# KiCad board AmigaPCI Mainboard.kicad_pcb (continued)
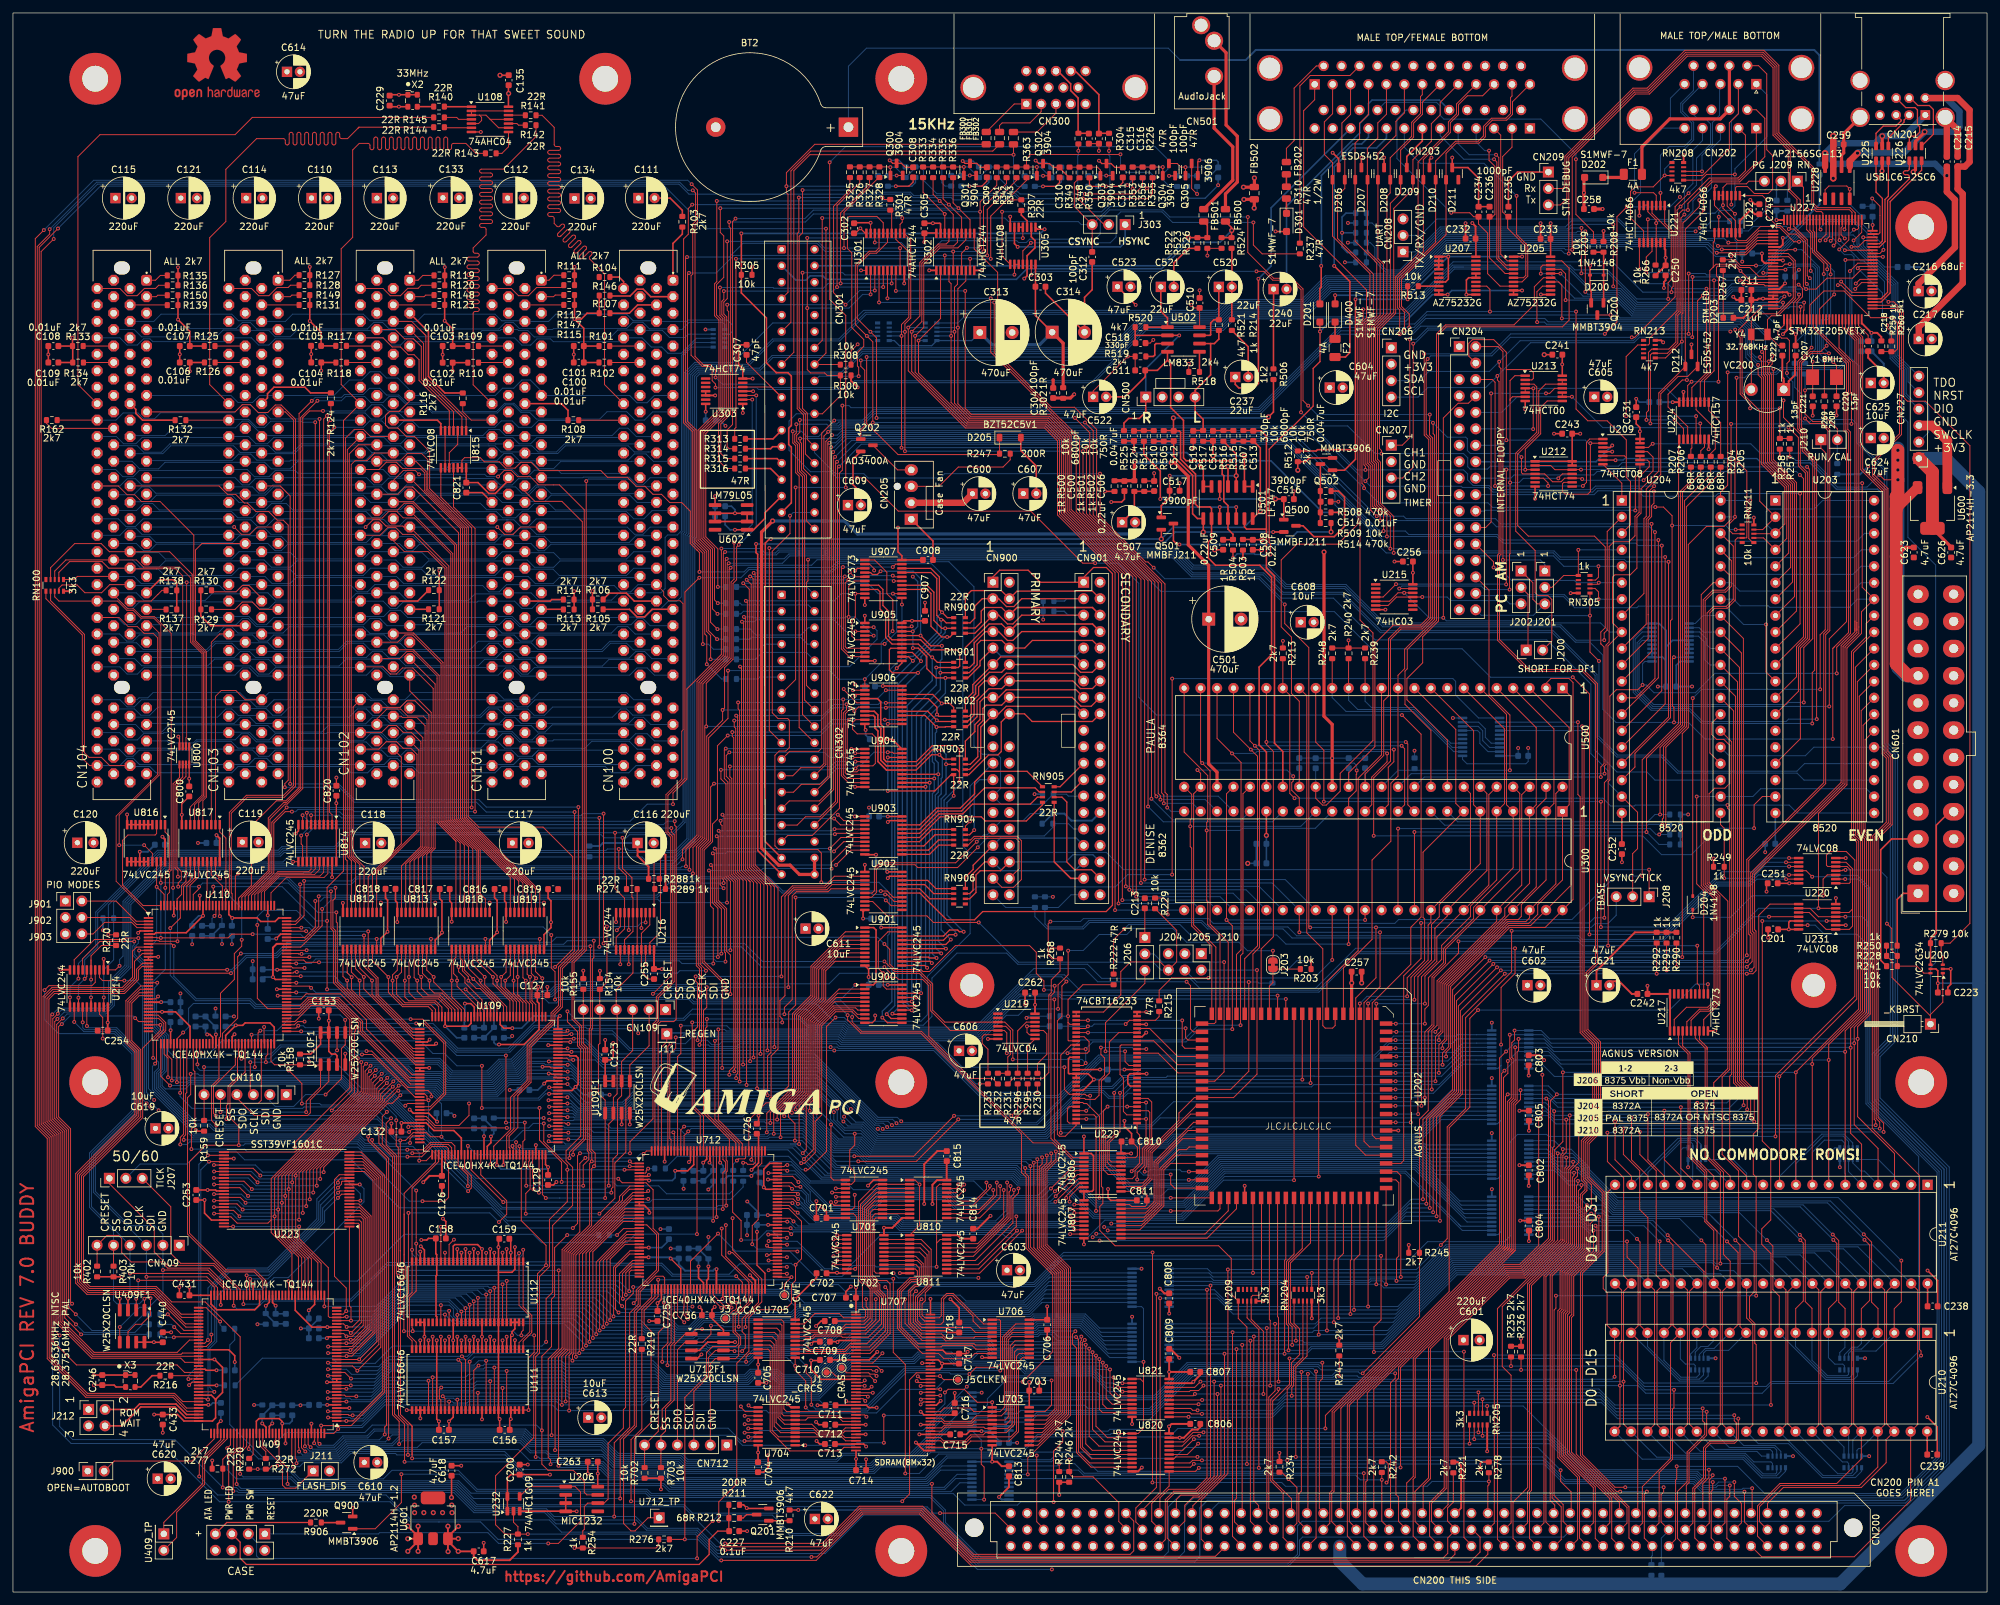
[diagram p0: board, top side]
## Routing (per net, layer and track width the routed paths; a pad name or vN(x,y) marks a point on that pad's centre or on a via; arc(x,y) is an arc through that point) (continued)
_U110EN: length 357.7
  Top w0.15: U227.2 269.47,209.7 267.63,207.85 263.26,207.85 v1(263.25,207.86) ; 14.02,91 v1(14.02,91.82)
  Bottom w0.15: v1(263.25,207.86) 262.42,208.69 221.23,208.69 214.89,202.35 203.01,202.35 199.37,198.71 187.8,198.71 186.1,197.01 174.16,197.01 169.29,192.13 130.84,192.13 129.64,190.94 117.22,190.94 115.27,188.99 105.65,188.99 104.65,187.99 104.65,163.29 104.37,163.01 104.37,116.22 102.34,114.19 41.87,114.19 41.32,113.64 22.7,113.64 15.54,106.48 R287.2 15.54,97.62 14.02,96.1 v1(14.02,91.82)
_U409EN: length 353.2
  Top w0.15: U227.5 269.24,208.2 267.55,206.5 265.54,206.5 v1(265.29,206.25) ; 14.66,96.07 15.84,96.07 v1(16.46,96.7)
  Bottom w0.15: v1(265.29,206.25) 262.89,206.25 261.35,207.79 221.6,207.79 215.23,201.42 203.36,201.42 199.74,197.81 188.17,197.81 186.47,196.11 174.53,196.11 169.66,191.23 131.21,191.23 128.11,188.14 ; 128.07,188.09 128.11,188.14 ; 128.07,188.09 128.11,188.14 ; 128.07,188.09 106.03,188.09 105.55,187.61 105.55,162.92 105.27,162.64 105.27,115.85 101.86,112.44 98.21,112.44 97.14,113.51 42.46,113.51 41.69,112.74 23.07,112.74 17,106.67 17,98.21 16.46,97.67 v1(16.46,96.7)
_U712EN: length 263.4
  Top w0.15: U227.4 269.32,208.7 267.42,206.8 263.08,206.8 v1(263.07,206.81) ; 98.98,104.92 v1(98.98,112.97)
  Bottom w0.15: v1(263.07,206.81) 262.95,206.81 261.67,208.09 221.47,208.09 215.11,201.72 203.23,201.72 199.62,198.11 188.05,198.11 186.35,196.41 174.41,196.41 169.53,191.53 131.09,191.53 127.94,188.39 105.9,188.39 105.25,187.74 105.25,163.04 104.97,162.76 104.97,115.97 101.97,112.97 v1(98.98,112.97)
_UDS: length 115.6
  Top w0.15: U712.118 111.62,69.38 106.93,74.07 106.93,87.06 107.15,87.28 v1(107.15,88.49) ; U229.52 163.1,74.96 162.8,74.66 162.8,72.71 163.09,72.42 U229.56 164.16,72.07 162.48,70.38 161.57,70.38 161.26,70.7 161.26,88.21 161.96,88.91 161.96,93.58 v1(162.65,94.27)
  Bottom w0.15: v1(107.15,88.49) 118.78,88.49 118.79,88.48 121.4,88.48 122.65,87.23 128.12,87.23 128.73,86.63 148.83,86.63 157.21,95.01 161.92,95.01 v1(162.65,94.27)
_UMBE: length 108.7
  Top w0.15: v1(23.94,79.48) 23.94,82.48 23.34,83.08 U110.38 ; v1(110.14,59.68) 110.12,59.7 110.12,64.84 110.28,65 110.28,66.56 110.12,66.72 U712.121
  Bottom w0.15: v1(23.94,79.48) 50.84,79.48 53.62,76.71 58.23,76.71 75.54,59.39 108.62,59.39 108.9,59.68 v1(110.14,59.68)
_UUBE: length 111
  Top w0.15: U110.37 22.84,79.63 v1(24.25,78.22) ; v1(108.11,57.32) 108.12,57.33 U712.125
  Bottom w0.15: v1(108.11,57.32) 107.79,57.64 95.95,57.64 95.63,57.32 76.34,57.32 57.7,75.96 53.31,75.96 50.53,78.73 27.22,78.73 26.7,78.22 v1(24.25,78.22)
_VBEN: length 135.9
  Top w0.15: U701.19 129.77,58.43 130.27,57.93 130.27,50.12 v1(130.05,49.9) 130.04,49.89 U702.19 ; U704.19 112.96,23.31 v1(112.95,23.32) ; U712.44 102.12,38.62 101.57,38.08 101.57,29.57 100.24,28.23 v1(100.24,25.3) ; v1(160.36,32.68) 160.36,28.88 159.35,27.87 U703.19
  In2.Cu w0.15: v1(147.28,31.71) 147.28,32.26 143.4,36.15 140,36.15 132.42,43.72 132.42,47.12 130.05,49.5 v1(130.05,49.9)
  Bottom w0.15: v1(160.36,32.68) 159.29,32.68 158.88,33.09 148.66,33.09 v1(147.28,31.71) 140.52,24.95 115.28,24.95 113.66,23.32 v1(112.95,23.32) 112.4,23.32 110.42,25.3 v1(100.24,25.3)
_VC1: length 124.4
  Top w0.15: 152.07,78.46 151.23,79.31 147.97,79.31 141.4,85.88 141.4,93.65 140.44,94.6 136.74,94.6 136.42,94.92 v1(135.08,94.92) ; v1(119.98,166.21) 119.98,163.45 117.24,160.71 117.24,135.77 118.13,134.88 119.62,134.88 119.87,134.63 119.87,130.4 119.34,129.87 118.31,129.87 117.65,129.21 117.65,115.23 118.24,114.64 124.29,114.64 124.81,114.12 v1(124.81,109.6)
  Bottom w0.15: v1(119.98,166.21) 120.47,166.7 CN301.34 ; v1(124.81,109.6) 133.7,109.6 135.3,108 135.3,101.62 135.08,101.4 v1(135.08,94.92)
_VC3: length 163.9
  Top w0.15: v1(149.27,78.47) 150.54,78.47 ; v1(111.34,162.06) 111.33,162.05 111.33,156.4 110.88,155.95 110.88,144.16 107.04,140.33 v1(107.04,133.67) 106.82,133.44 106.82,116.38 105.51,115.07 105.51,96.72 106,96.23 106,86.14 105.71,85.84 105.71,85.21 v1(105.7,85.21) ; v1(114.14,184.14) 112.69,184.14
  Bottom w0.15: v1(114.14,184.14) 114.14,164.86 v1(111.34,162.06) ; v1(107.04,133.67) 107.05,133.67 CN302.17 ; v1(149.27,78.47) 148.68,78.47 142.62,84.53 127.86,84.53 127.41,84.98 109.49,84.98 109.04,84.53 107.9,84.53 107.22,85.2 105.71,85.2 v1(105.7,85.21)
_VSYNC: length 293.1
  Top w0.15: v1(167.84,172.7) 167.84,166.12 174.89,159.06 175.25,159.06 v1(176.13,158.18) ; U305.10 U305.9 v1(154.63,203.43) ; v1(121.92,203.73) 121.92,182.77 122.65,182.03 122.65,177.97 CN301.26 ; v1(210.45,102.63) 210.45,94.86 207.32,91.73 207.32,68.99 208.85,67.46 U202.79 ; v1(200.29,102.63) 200.07,102.84 200.07,145.84 196.36,149.56 v1(196.36,152.5)
  Bottom w0.15: v1(176.13,158.18) 177.83,156.47 192.39,156.47 v1(196.36,152.5) ; v1(200.29,102.63) v1(210.45,102.63) 243.69,102.63 244.28,103.21 246.26,103.21 247.54,104.49 J208.3 ; v1(167.84,172.7) 143.86,172.7 143.19,172.03 132.04,172.03 131.37,172.7 127,172.7 123.77,175.93 CN301.26 ; v1(154.63,203.43) 154.59,203.39 128.46,203.39 128.12,203.73 v1(121.92,203.73)
_WLATCHEN: length 77.1
  Top w0.15: v1(19.48,99.06) 19.5,99.09 U110.11 ; U109.44 68.23,68.88 67.71,69.4 64.44,69.4 63.33,68.29 62.62,68.29 62.62,68.3 v1(60.88,68.3)
  Bottom w0.15: v1(60.88,68.3) 57.98,68.3 57,69.28 54.4,69.28 53.55,70.12 27.81,70.12 27.01,70.93 27.01,71.67 20.93,77.75 20.93,96.75 19.48,98.2 v1(19.48,99.06)
_XCLKEN: length 351.5
  Top w0.15: v1(125.53,210.53) 125.53,191.32 CN301.16 127.71,189.56 ; v1(6.95,210.55) 4.05,207.65 4.05,72.14 5.9,70.29 5.9,36.28 11.5,30.68 24.95,30.68 26.22,29.41 U409.102
  Bottom w0.15: v1(125.53,210.53) 107.17,210.53 100.6,217.1 13.5,217.1 v1(6.95,210.55)
A0: length 51.2
  Top w0.15: RN209.3 190.55,42.35 192.37,40.53 v1(192.37,19.17) ; 177.09,9.65 175.83,10.91 175.83,13.68 178.51,16.37 U820.11 182.56,18.63 v1(183.1,19.17)
  Bottom w0.15: v1(192.37,19.17) v1(183.1,19.17)
A1: length 69.5
  Top w0.15: 179.63,12.19 179.63,14.28 180.32,14.97 182.98,14.97 185.99,17.98 v1(185.99,30.58) ; v1(182.5,30.59) 182.21,30.31 U821.16 ; v1(193.07,30.58) 193.06,30.58 193.06,40.26 191.19,42.13 RN209.4 191.19,45.58 191.43,45.82 192.4,45.82 192.77,46.19 192.77,60.82
  Bottom w0.15: v1(182.5,30.59) 185.98,30.59 v1(185.99,30.58) v1(193.07,30.58)
A2: length 394.6
  Top w0.15: 247.92,25.42 U210.21 ; 247.92,25.42 248.12,25.62 ; 247.92,25.42 248.12,25.62 v1(248.12,31.88) 248.12,38.46 248.38,38.72 248.38,46.62 U211.21 ; v1(183.82,31.88) 183.06,31.12 181.8,31.12 181.64,30.95 U821.17 ; v1(186.51,31.88) 186.51,18.08 183.1,14.67 182.2,14.67 180.94,13.41 180.94,10.96 179.63,9.65 ; v1(194.13,31.88) 194.12,31.88 194.12,41.95 193.99,42.08 U202.61 ; U227.47 283.95,195.03 285.3,193.68 285.3,173.32 288.6,170.02 288.6,129.42 289.24,128.78 289.24,118.88 287.08,116.72 287.08,71.62 294.38,64.31 294.38,37.44 294.61,37.21 v1(294.61,36.52)
  Bottom w0.15: v1(183.82,31.88) v1(186.51,31.88) v1(194.13,31.88) v1(248.12,31.88) 250.92,31.88 252.1,30.7 270.08,30.7 271.59,32.21 290.3,32.21 v1(294.61,36.52) ; RN206.6 273.68,18.64 272.68,17.64 269.98,17.64 267.1,20.52 251.56,20.52 U210.21
A3: length 374.8
  Top w0.15: CN200.c11 178.22,8.33 178.22,14.14 179.35,15.27 182.85,15.27 185.46,17.88 v1(185.46,32.5) ; U202.62 195.26,42.52 195.39,42.39 195.39,32.51 v1(195.41,32.5) ; v1(287.61,72.09) 287.61,72.77 287.38,73 287.38,116.6 289.55,118.77 289.55,128.89 288.9,129.54 288.9,170.14 285.6,173.45 285.6,193.8 284.45,194.95 U227.48 ; v1(246.18,70.93) 246.18,66.48 248.69,63.97 248.69,48.85 U211.22 248.68,46.41 v1(248.68,32.5) 248.68,25.94 U210.22 ; v1(183.35,32.5) 182.45,31.6 U821.18
  Bottom w0.15: v1(183.35,32.5) v1(185.46,32.5) v1(195.41,32.5) v1(248.68,32.5) ; U210.22 253.8,20.82 267.23,20.82 270.1,17.95 272.27,17.95 272.96,18.64 RN206.7 ; v1(246.18,70.93) 246.87,70.93 248.04,72.09 v1(287.61,72.09)
A4: length 376.9
  Top w0.15: U210.23 253.45,25.88 253.45,46.62 U211.23 252.44,57.79 251.17,59.06 251.17,65.06 248.65,67.58 v1(248.65,71.57) ; v1(187.06,36.8) 187.06,18.2 182.17,13.31 182.17,12.19 ; v1(288.23,71.57) 288.23,72.57 287.68,73.12 287.68,116.47 289.85,118.64 289.85,129.02 289.2,129.67 289.2,170.27 287.13,172.34 287.13,174.7 291.28,178.85 291.28,197.5 290.58,198.2 U227.51 ; U202.63 196.53,51.38 196.34,51.19 v1(196.34,36.8)
  Bottom w0.15: v1(248.65,71.57) v1(288.23,71.57) ; U211.23 251.08,49 222.98,49 211.57,37.59 200.56,37.59 199.77,36.8 v1(196.34,36.8) v1(187.06,36.8) 178.57,36.8 ; U210.23 256.04,21.12 267.35,21.12 270.22,18.25 272.15,18.25 272.32,18.42 RN206.8
A5: length 376.2
  Top w0.15: v1(251.2,71.05) 251.2,67.57 253.72,65.05 253.72,48.9 U211.24 253.84,46.5 253.84,25.86 U210.24 ; U202.64 197.8,52.21 196.64,51.05 196.64,41.38 196.95,41.07 v1(196.95,37.32) ; 189.79,9.65 188.6,10.84 188.6,14.14 188.92,14.46 v1(188.92,37.51) ; v1(288.83,71.05) 288.83,72.4 287.98,73.25 287.98,116.35 290.15,118.52 290.15,129.14 289.5,129.79 289.5,170.39 287.43,172.47 287.43,174.58 291.58,178.73 291.58,197.63 290.51,198.7 U227.52
  Bottom w0.15: U804.17 v1(188.92,37.51) 196.24,37.51 196.43,37.32 v1(196.95,37.32) 199.87,37.32 200.43,37.89 211.45,37.89 222.85,49.3 253.32,49.3 U211.24 ; v1(288.83,71.05) 288.82,71.05 v1(251.2,71.05) ; U210.24 258.28,21.42 267.47,21.42 268.79,20.1 271.43,20.1 271.68,19.85 RN206.9
A6: length 173.2
  Top w0.15: 189.79,12.19 v1(189.79,38.16) ; v1(197.51,38.16) 197.51,40.93 196.94,41.5 196.94,50.93 199.07,53.06 U202.65 ; U211.25 258.54,46.62 258.54,25.88 U210.25
  Bottom w0.15: U211.25 255.54,49.62 222.76,49.62 211.33,38.19 198.44,38.19 198.41,38.16 v1(197.51,38.16) v1(189.79,38.16) U804.16 ; RN206.1 269.99,20.99 269.26,21.72 260.52,21.72 U210.25
A7: length 178.2
  Top w0.15: v1(191.06,38.81) 191.06,10.92 192.33,9.65 ; U202.66 200.34,53.9 197.24,50.8 197.24,41.62 198.09,40.77 v1(198.09,38.81) ; U210.26 258.83,25.94 258.83,46.41 U211.26
  Bottom w0.15: U804.15 v1(198.09,38.81) 199.09,38.81 199.41,38.49 211.2,38.49 222.64,49.93 257.77,49.93 U211.26 ; U210.26 262.76,22.02 271.32,22.02 271.68,21.66 RN206.2
A8: length 215.2
  Top w0.15: U217.3 257.15,84.58 258.63,83.09 258.63,67.33 261.22,64.74 261.22,57.2 262.6,55.82 U211.27 263.62,46.62 263.62,25.88 U210.27 ; U202.67 v1(201.61,39.75) ; v1(191.59,39.46) 191.58,39.45 191.58,14.12 192.33,13.37 192.33,12.19
  Bottom w0.15: U211.27 259.99,50.25 222.54,50.25 212.04,39.75 v1(201.61,39.75) 201.32,39.46 v1(191.59,39.46) U804.14 ; U210.27 265,22.32 271.94,22.32 272.32,21.94 RN206.3
A9: length 221.2
  Top w0.15: U202.68 v1(202.88,40.39) ; U210.28 263.92,25.94 263.92,46.41 U211.28 265.14,51.08 264.12,52.1 264.12,64.81 261.57,67.35 261.57,83.83 ; 261.57,83.83 261.57,84.12 260.4,85.3 U217.8 ; 261.57,83.83 261.57,84.05 261.57,84.06 ; 189.79,7.11 188.3,8.6 188.3,40.1 v1(188.31,40.11)
  Bottom w0.15: U211.28 263.64,49.14 261.52,49.14 260.1,50.56 222.42,50.56 212.25,40.39 v1(202.88,40.39) 200.9,40.39 200.62,40.11 v1(188.31,40.11) U804.13 ; RN206.4 272.96,21.72 272.06,22.62 267.24,22.62 U210.28
A10: length 229.8
  Top w0.15: U217.4 257.8,84.35 258.93,83.22 258.93,67.45 261.52,64.87 261.52,57.33 263.11,55.74 263.11,50.1 v1(263.13,50.08) ; U210.29 268.63,25.81 268.63,41.36 267.68,42.31 U211.29 ; v1(193.59,40.76) 193.6,40.75 193.6,10.92 194.87,9.65 ; v1(203.95,41.66) 203.95,41.66 203.95,51.25 204.15,51.44 U202.69
  Bottom w0.15: U211.29 265.69,49.63 263.57,49.63 v1(263.13,50.08) 262.34,50.86 222.3,50.86 213.1,41.66 v1(203.95,41.66) 201.75,41.66 200.85,40.76 v1(193.59,40.76) U804.12 ; U210.29 269.48,22.92 274.14,22.92 279.38,17.68 284.47,17.68 285.43,18.64 RN207.6
A11: length 225.5
  Top w0.15: v1(194.87,41.41) 194.87,31.07 193.9,30.1 193.9,12.97 CN200.a17 ; U217.7 259.75,85.53 261.27,84 261.27,67.23 263.62,64.88 263.62,50.74 v1(263.63,50.73) ; U210.31 273.75,25.84 273.75,46.65 U211.31 ; U202.70 205.42,52.29 204.62,51.49 v1(204.62,42.3)
  Bottom w0.15: U211.31 269.67,50.73 v1(263.63,50.73) 262.9,50.73 262.47,51.16 222.17,51.16 213.31,42.3 v1(204.62,42.3) 201.96,42.3 201.07,41.41 v1(194.87,41.41) U804.11 ; U210.31 279.5,17.98 284.05,17.98 284.71,18.64 RN207.7
A12: length 192.3
  Top w0.15: U210.32 274.05,25.97 274.05,46.38 U211.32 ; U202.71 206.69,51.38 206.5,51.19 206.5,42.94 v1(206.5,42.93) ; 174.38,12.65 177.12,15.39 v1(177.12,45.38)
  Bottom w0.15: RN207.8 284.07,18.57 283.78,18.28 281.74,18.28 U210.32 ; v1(177.12,45.38) 177.12,45.38 U805.18 185.95,45.38 188.4,42.93 v1(206.5,42.93) 213.52,42.93 222.05,51.46 271.48,51.46 U211.32
A13: length 195.4
  Top w0.15: v1(176.55,46.04) 176.55,16.16 173.37,12.99 173.37,10.83 174.55,9.65 ; U210.33 278.82,25.84 278.82,46.65 U211.33 ; U202.72 207.96,52.16 207.06,51.26 v1(207.06,43.56)
  Bottom w0.15: v1(176.55,46.04) 176.56,46.02 U805.17 185.73,46.02 188.19,43.56 v1(207.06,43.56) 213.73,43.56 221.93,51.76 273.72,51.76 U211.33 ; U210.33 282.47,20.09 283.2,20.09 283.43,19.86 RN207.9
A14: length 193.5
  Top w0.15: v1(184.36,46.68) 184.36,17.63 182.6,15.87 178.44,15.87 177.09,14.52 177.09,12.19 ; U210.34 279.12,25.97 279.12,46.38 U211.34 ; U202.73 v1(209.23,44.08)
  Bottom w0.15: RN207.1 282.71,22.39 U210.34 ; U211.34 275.95,52.07 221.81,52.07 213.83,44.08 v1(209.23,44.08) 188.09,44.08 185.5,46.68 v1(184.36,46.68) 184.36,46.68 U805.16
A15: length 195.6
  Top w0.15: U210.35 283.9,25.84 283.9,46.65 U211.35 ; v1(184.9,47.32) 184.9,17.74 182.73,15.57 179.23,15.57 177.92,14.26 177.92,8.09 CN200.c10 ; U202.74 v1(210.5,47.52)
  Bottom w0.15: U211.35 278.19,52.37 221.69,52.37 216.29,46.97 211.68,46.97 211.13,47.52 v1(210.5,47.52) 185.11,47.52 v1(184.9,47.32) 184.89,47.32 U805.15 ; RN207.2 283.43,24.21 U210.35
A16: length 184.8
  Top w0.15: CN200.c47 269.36,8.63 269.36,13.3 272.82,16.76 281.59,16.76 285.39,20.56 U210.36 284.2,25.97 284.2,46.38 U211.36 ; U202.75 v1(212.01,47.5)
  Bottom w0.15: U210.36 284.07,23.47 RN207.3 ; U805.14 185.11,47.97 185.26,47.82 209.48,47.82 209.7,48.05 211.46,48.05 v1(212.01,47.5) 216.39,47.5 221.56,52.67 280.43,52.67 U211.36
A17: length 191
  Top w0.15: U211.37 288.99,46.65 288.99,25.84 U210.37 287.93,19.3 285.09,16.46 272.94,16.46 269.66,13.18 269.66,10.87 CN200.b47 ; U202.76 213.52,63.65 213.98,63.19 213.98,51.9 213.62,51.54 v1(213.62,48.05)
  Bottom w0.15: U211.37 282.64,53 221.47,53 216.52,48.05 v1(213.62,48.05) 213.32,48.35 209.58,48.35 209.35,48.12 185.39,48.12 184.89,48.62 U805.13 ; U210.37 285.3,22.16 284.98,22.16 284.71,21.89 RN207.4
A18: length 188.3
  Top w0.15: v1(199.82,48.65) 199.81,48.64 RN204.7 ; v1(214.29,48.65) 214.28,48.66 214.28,64.33 213.69,64.92 U202.77 ; CN200.a47 270.9,13.7 273.36,16.16 285.4,16.16 289.22,19.98 289.22,23.54 U210.38 289.29,25.97 289.29,46.38 U211.38
  Bottom w0.15: U211.38 284.87,53.31 221.35,53.31 216.69,48.65 v1(214.29,48.65) v1(199.82,48.65) 185.29,48.65 184.66,49.27 U805.12
A19: length 196.5
  Top w0.15: U211.39 294.08,46.63 294.08,25.87 U210.39 293.01,14.17 284.29,5.45 270,5.45 CN200.c46 ; v1(191.46,49.28) 191.45,49.29 U202.59 ; RN204.6 200.53,49.27 v1(200.54,49.28)
  Bottom w0.15: U211.39 287.1,53.62 221.24,53.62 216.9,49.28 v1(200.54,49.28) v1(191.46,49.28) 185.08,49.28 184.44,49.93 U805.11
A20: length 186.8
  Top w0.15: v1(267.34,15.5) 267.34,10.84 268.53,9.65 ; 178.51,19.28 181.81,19.28 v1(182.33,19.8) ; v1(190.53,19.77) 190.53,40.91 189.19,42.25 RN209.1 188.11,46.01 188.11,51.52 186.16,53.47 170.17,53.47 167.81,55.83 167.81,59.54 168.28,60.01 168.28,62.41 168.05,62.64 168.05,78.91 168.44,79.3 168.44,79.3 169.28,80.15 169.28,84.93 170.74,86.39 U229.23
  Bottom w0.15: v1(182.33,19.8) 182.36,19.77 v1(190.53,19.77) 236.41,19.77 239.43,16.75 259.43,16.75 260.68,15.5 v1(267.34,15.5)
A21: length 123.6
  Top w0.15: CN200.c45 264.63,8.28 264.63,14.33 265.07,14.78 265.07,15.72 265.08,15.72 v1(265.08,16.46) ; U820.14 179.25,20.58 179.53,20.87 v1(182.88,20.87) ; RN204.4 199.81,36.46 198.07,34.72 v1(198.07,20.87)
  Bottom w0.15: v1(265.08,16.46) 263.25,16.46 262.95,16.16 260.87,16.16 259.65,17.38 243.71,17.38 243.68,17.35 239.68,17.35 236.16,20.87 v1(198.07,20.87) v1(182.88,20.87)
A22: length 116.9
  Top w0.15: 258.37,12.19 258.37,16.49 258.79,16.9 258.79,21.5 261.5,24.22 v1(261.5,27.83) ; v1(183.06,29) 183.06,29 U821.14 ; RN204.3 199.17,36.24 197.73,34.8 197.73,31.86 197.45,31.58 v1(197.45,30.3)
  Bottom w0.15: v1(261.5,27.83) 247.55,27.83 245.08,30.31 197.45,30.31 v1(197.45,30.3) 196.5,30.3 195.2,29 v1(183.06,29)
A23: length 121.5
  Top w0.15: v1(268.53,16.03) 268.53,12.19 ; v1(196.74,20.34) 196.74,31.3 197.4,31.96 197.4,35.4 198.66,36.66 198.66,40.63 197.8,41.49 197.8,44.77 ; U820.13 181.72,19.94 182.13,20.34 v1(183.58,20.34)
  Bottom w0.15: v1(183.58,20.34) v1(196.74,20.34) 236.26,20.34 239.55,17.05 259.55,17.05 260.74,15.86 266.96,15.86 267.12,16.02 268.52,16.02 v1(268.53,16.03)
A24: length 96.4
  Top w0.15: 260.91,12.19 260.91,16.73 261.86,17.68 v1(261.86,18.88) ; v1(181.51,27.05) 181.5,27.06 178.51,27.06 ; v1(227.61,28.72) 227.62,28.71 RN205.1
  Bottom w0.15: v1(181.51,27.05) 181.57,26.99 194.46,26.99 196.2,28.72 v1(227.61,28.72) 233.18,28.72 237.84,24.06 237.87,24.06 243.05,18.88 v1(261.86,18.88)
A25: length 102
  Top w0.15: v1(265.78,16.99) 265.78,14.79 266.87,13.7 266.87,10.68 CN200.b45 ; RN205.6 v1(224.9,22.91) ; v1(182.99,22.91) 181.31,21.24 U820.15
  Bottom w0.15: v1(265.78,16.99) 263.36,16.99 262.83,16.46 260.99,16.46 259.77,17.68 242.53,17.68 237.3,22.91 v1(224.9,22.91) v1(182.99,22.91)
A26: length 114.4
  Top w0.15: v1(265.77,27.31) 265.77,26.45 266.1,26.13 266.1,23.68 265.71,23.29 262.01,23.29 261.02,22.31 261.02,17.69 259.37,16.04 259.37,10.65 258.37,9.65 ; v1(182.9,28.06) 182.15,28.06 181.86,28.35 U821.13 ; RN205.2 v1(226.9,29.77)
  Bottom w0.15: v1(265.77,27.31) 265.76,27.31 247.65,27.31 245.18,29.77 v1(226.9,29.77) 196.4,29.77 194.69,28.06 v1(182.9,28.06)
A27: length 100.1
  Top w0.15: v1(262.45,16.99) 262.45,15.79 262.21,15.55 262.21,8.35 263.45,7.11 ; U820.16 180.62,21.88 v1(182.34,23.61) ; RN205.7 v1(225.62,23.61)
  Bottom w0.15: v1(262.45,16.99) 260.89,16.99 259.9,17.98 242.65,17.98 237.02,23.61 v1(225.62,23.61) v1(182.34,23.61)
A28: length 110.8
  Top w0.15: v1(226.27,30.83) 226.26,30.82 RN205.3 ; U821.15 183.6,29.65 v1(183.6,29.66) ; CN200.c42 257.01,8.28 257.01,15.55 258.49,17.02 258.49,21.62 261.2,24.34 261.2,26.12 260.89,26.44 v1(260.89,28.36)
  Bottom w0.15: v1(183.6,29.66) 195.44,29.66 196.61,30.83 v1(226.27,30.83) 244.98,30.83 247.45,28.35 260.88,28.35 v1(260.89,28.36)
A29: length 116.5
  Top w0.15: RN205.4 225.62,29.24 v1(225.63,29.25) ; v1(266.39,26.78) 266.39,23.56 265.83,22.99 262.13,22.99 261.32,22.18 261.32,17.57 259.67,15.92 259.67,8.35 260.91,7.11 ; U821.12 181.74,27.7 181.93,27.51 v1(183.58,27.51)
  Bottom w0.15: v1(266.39,26.78) 247.75,26.78 245.28,29.25 v1(225.63,29.25) 196.3,29.25 194.56,27.51 v1(183.58,27.51)
A30: length 97.5
  Top w0.15: U820.18 180.75,23.19 182.22,24.66 v1(183.82,24.66) ; v1(262.44,18.04) 262.44,17.84 261.91,17.31 261.91,10.65 260.91,9.65 ; RN205.8 226.26,24.67 v1(226.27,24.66)
  Bottom w0.15: v1(262.44,18.04) 260.68,18.04 260.14,18.58 242.9,18.58 236.82,24.66 v1(226.27,24.66) v1(183.82,24.66)
A31: length 99.2
  Top w0.15: RN205.9 226.9,24.14 v1(226.91,24.13) ; v1(183.15,24.13) 182.12,24.13 180.52,22.53 U820.17 ; v1(264.34,17.51) 264.33,17.5 264.33,10.68 CN200.b44
  Bottom w0.15: v1(183.15,24.13) v1(226.91,24.13) 236.92,24.13 242.78,18.28 260.02,18.28 260.79,17.51 v1(264.34,17.51)
AD0: length 111.5
  Top w0.15: CN102.A58 59.96,128.93 59.96,115.55 54.85,110.44 U812.4
  Bottom w0.13: 58.87,130.31 72.26,130.31 73.22,131.27 74.94,131.27 75.9,130.31 78.88,130.31 ; 38.25,130.32 37.16,130.32 34.73,130.32 33.68,131.37 28.43,131.37 27.37,130.31 18.23,130.31 ; 99.35,130.16 96.39,130.16 95.18,131.37 89.38,131.37 88.31,130.3 79.17,130.3 ; 58.57,130.32 55.48,130.32 54.53,131.27 52.18,131.27 51.22,130.31 38.55,130.31
AD1: length 122.2
  Top w0.15: CN102.B58 56.49,130.16 57.63,131.3 59.23,131.3 60.24,130.29 61.45,130.29 62.38,129.36 62.38,117.62 55.5,110.74 U812.3
  Bottom w0.13: 74.1,130.01 77.01,130.01 77.96,129.06 80.19,129.06 81.13,130 ; CN104.B58 16.39,130.16 17.5,129.06 18.54,129.06 19.49,130.01 27.49,130.01 27.65,130.16 CN103.B58 ; 80.2,129.09 81.11,130 94.11,130 ; 53.48,130.01 40.47,130.01 39.52,129.06 37.95,129.06 36.99,130.02 33.47,130.02 ; 53.79,130.02 56.9,130.02 57.86,129.06 59.77,129.06 60.72,130.01 73.81,130.01
AD2: length 114.5
  Top w0.15: U812.2 56.16,111.04 62.68,117.56 62.68,130.02 61.26,131.44
  Bottom w0.13: 20.62,131.44 23.78,131.44 24.09,131.12 27.85,131.12 28.33,131.6 34.3,131.6 35.24,132.54 36.32,132.54 37.57,131.29 40.8,131.29 ; 81.43,131.28 78.24,131.28 76.97,132.55 75.55,132.55 74.53,131.53 73.4,131.53 73.39,131.52 61.35,131.52 ; 41.04,131.53 54.16,131.53 55.18,132.55 56.65,132.55 57.91,131.29 61.12,131.29 ; 101.89,131.42 99.04,131.42 97.93,132.54 96.13,132.54 95.19,131.6 83.51,131.6 83.34,131.44 81.58,131.44
AD3: length 122.6
  Top w0.15: U813.9 59.99,112.13 62.98,115.12 62.98,123.93 62.98,131.03 62.98,131.28 61.51,132.75 60.25,132.75 59.19,133.82 58.01,133.82 56.9,132.7 CN102.B56
  Bottom w0.13: CN104.B56 16.51,132.7 17.62,131.59 19.22,131.59 20.2,132.57 23.16,132.57 23.29,132.7 CN103.B56 ; 53.63,132.7 48.51,132.7 48.38,132.57 40.52,132.57 39.54,131.59 37.71,131.59 36.53,132.77 33.39,132.77 ; 73.8,132.54 60.13,132.54 59.17,131.59 58.03,131.59 56.77,132.85 53.79,132.85 ; 94.12,132.54 81.13,132.54 80.17,131.58 78.36,131.58 77.09,132.85 74.18,132.85
AD4: length 114.4
  Top w0.15: CN102.A55 63.28,131.96 63.28,115.06 60.64,112.42 U813.8
  Bottom w0.13: 40.8,134.12 37.54,134.12 36.58,135.08 35.1,135.08 34.16,134.14 20.79,134.14 ; 41.04,134.07 54.47,134.07 55.48,135.08 57.27,135.08 58.24,134.11 61.13,134.11 ; 61.43,134.14 75.11,134.14 76.05,135.08 77.5,135.08 78.46,134.12 81.42,134.12 ; 81.75,134.14 95.06,134.14 96,135.08 97.35,135.08 98.47,133.96 101.89,133.96
AD5: length 123.7
  Top w0.13: 63.93,133 63.93,134.69 63.34,135.27 60.94,135.27 59.86,136.35 57.72,136.35 56.18,134.81 CN102.B55
  Top w0.15: 63.93,133 63.93,115.01 61.94,113.02 U813.6
  Bottom w0.13: 56.05,133.84 48.72,133.84 47.68,132.8 40.37,132.8 39.35,133.82 36.48,133.82 ; 56.28,133.88 59.8,133.88 60.9,132.77 71.72,132.77 72.86,133.91 76.44,133.91 ; 77.12,133.82 80,133.82 81.02,132.8 82.15,132.8 83.26,133.91 96.76,133.91 ; 35.8,133.91 24.09,133.91 22.98,132.8 20.09,132.8 18.91,133.97 CN104.B55
AD6: length 119.3
  Top w0.13: 60,135.18 60.15,135.04 62.37,135.04 63.07,134.35
  Top w0.15: CN102.A54 59.94,135.24 60,135.18 ; 63.07,134.35 63.63,133.78 63.63,115.06 61.29,112.72 U813.7
  Bottom w0.13: 58.61,135.35 55.58,135.35 54.57,136.36 53.17,136.36 51.91,135.1 38.54,135.1 ; 18.23,135.1 31.6,135.1 32.86,136.36 33.79,136.36 34.81,135.34 38.31,135.34 ; 58.86,135.09 72.23,135.09 73.5,136.36 74.92,136.36 75.94,135.34 78.93,135.34 ; 99.2,135.41 95.7,135.41 94.75,136.36 93.82,136.36 92.55,135.09 79.17,135.09
AD7: length 124.4
  Top w0.15: U813.5 62.59,113.31 64.23,114.95 64.23,135.47 62.07,137.63 60.8,137.63 59.78,136.61 56.28,136.61
  Bottom w0.13: 76.67,136.35 79.5,136.35 80.46,135.39 82.06,135.39 83.33,136.66 96.65,136.66 ; 56.31,136.39 59.31,136.39 60.31,135.39 72.11,135.39 73.38,136.66 76.34,136.66 ; 35.93,136.45 39.05,136.45 40.1,135.4 41.43,135.4 42.69,136.66 56.03,136.66 ; 15.69,136.37 18.77,136.37 19.74,135.4 21.12,135.4 22.38,136.66 35.72,136.66
AD8: length 118.5
  Top w0.15: CN102.B52 52.53,136.67 52.53,113.71 54.21,112.03 U812.5
  Bottom w0.13: 74.13,137.62 76.96,137.62 77.9,136.68 79.5,136.68 80.6,137.77 94.27,137.77 ; CN102.B52 55.12,137.78 55.25,137.65 56.9,137.65 57.93,136.62 59.79,136.62 60.96,137.78 CN101.B52 ; CN104.B52 16.52,137.78 17.63,136.68 18.72,136.68 19.82,137.78 CN103.B52 ; 33.46,137.65 36.6,137.65 37.57,136.68 39.19,136.68 40.3,137.78 53.63,137.78
AD9: length 123.2
  Top w0.15: U813.4 63.24,113.61 64.58,114.95 64.58,135.83 61.26,139.15 61.26,141.59
  Bottom w0.13: 40.94,141.59 54.61,141.59 55.72,142.71 56.88,142.71 58.24,141.35 61.02,141.35 ; 61.26,141.58 74.92,141.58 76.04,142.7 77.13,142.7 78.39,141.44 81.43,141.44 ; 20.62,141.59 34.29,141.59 35.4,142.71 36.5,142.71 37.76,141.45 40.8,141.45 ; 101.89,141.58 99.04,141.58 97.93,142.7 96.35,142.7 95.23,141.58 81.57,141.58
AD10: length 132.6
  Top w0.13: CN102.B48 57.16,142.86 58.27,141.76 59.2,141.76 60.14,142.7 61.72,142.7 64.88,139.54 64.88,139.48
  Top w0.15: U813.3 63.89,113.91 64.88,114.9 64.88,139.48
  Bottom w0.13: 33.26,142.8 20.27,142.8 19.22,141.75 17.62,141.75 16.51,142.86 CN104.B48 ; 53.79,143.01 57,143.01 58.26,141.75 59.68,141.75 60.7,142.77 73.87,142.77 ; 94.17,142.75 80.52,142.75 79.51,141.74 78.57,141.74 77.31,143 74.09,143 ; 33.46,143.01 36.67,143.01 37.93,141.75 39.54,141.75 40.55,142.76 53.54,142.76
AD11: length 124.7
  Top w0.15: CN102.A47 65.18,140.22 65.18,114.84 64.54,114.2 U813.2
  Bottom w0.13: 41.11,144.3 54.54,144.3 55.51,145.27 57,145.27 58,144.27 61.13,144.27 ; 81.46,144.26 78.16,144.26 77.18,145.24 75.57,145.24 74.58,144.25 61.38,144.25 ; 40.78,144.3 37.47,144.3 36.53,145.24 35.11,145.24 34.17,144.3 20.79,144.3 ; 81.66,144.22 95.15,144.22 96.17,145.24 97.54,145.24 98.66,144.12 101.89,144.12
AD12: length 133.7
  Top w0.13: CN102.B47 59.7,144.13 60.81,145.24 61.72,145.24 65.48,141.48 65.48,141.12
  Top w0.15: 68.4,115.94 67.97,116.38 ; 67.97,116.38 68.4,115.95 68.4,104.95 ; 67.97,116.38 65.48,118.86 65.48,141.12
  Bottom w0.13: CN104.B47 18.79,144.13 19.9,143.03 30.09,143.03 31.13,144.07 35.8,144.07 ; 56.12,144.07 51.44,144.07 50.36,142.99 40.53,142.99 39.48,144.04 35.95,144.04 ; 56.28,144.04 59.65,144.04 60.66,143.03 71.83,143.03 72.82,144.02 76.39,144.02 ; 96.68,143.99 92,143.99 90.99,142.98 80.97,142.98 79.92,144.03 76.58,144.03
AD13: length 130.6
  Top w0.15: 58.82,145.5 61.83,145.5 65.8,141.53 65.8,118.9 69.04,115.65 U818.8
  Bottom w0.13: 99.25,145.49 95.77,145.49 94.75,146.51 92.27,146.51 91.01,145.25 79.17,145.25 ; 18.23,145.26 30.07,145.26 31.33,146.52 33.81,146.52 34.83,145.5 38.31,145.5 ; 38.54,145.26 50.38,145.26 51.64,146.52 54.12,146.52 55.14,145.5 58.62,145.5 ; 58.86,145.25 72.23,145.25 73.5,146.52 74.92,146.52 75.94,145.5 78.93,145.5